# Altium PCB stencil V1.0.PcbDoc (part 1 of 5) (continued)
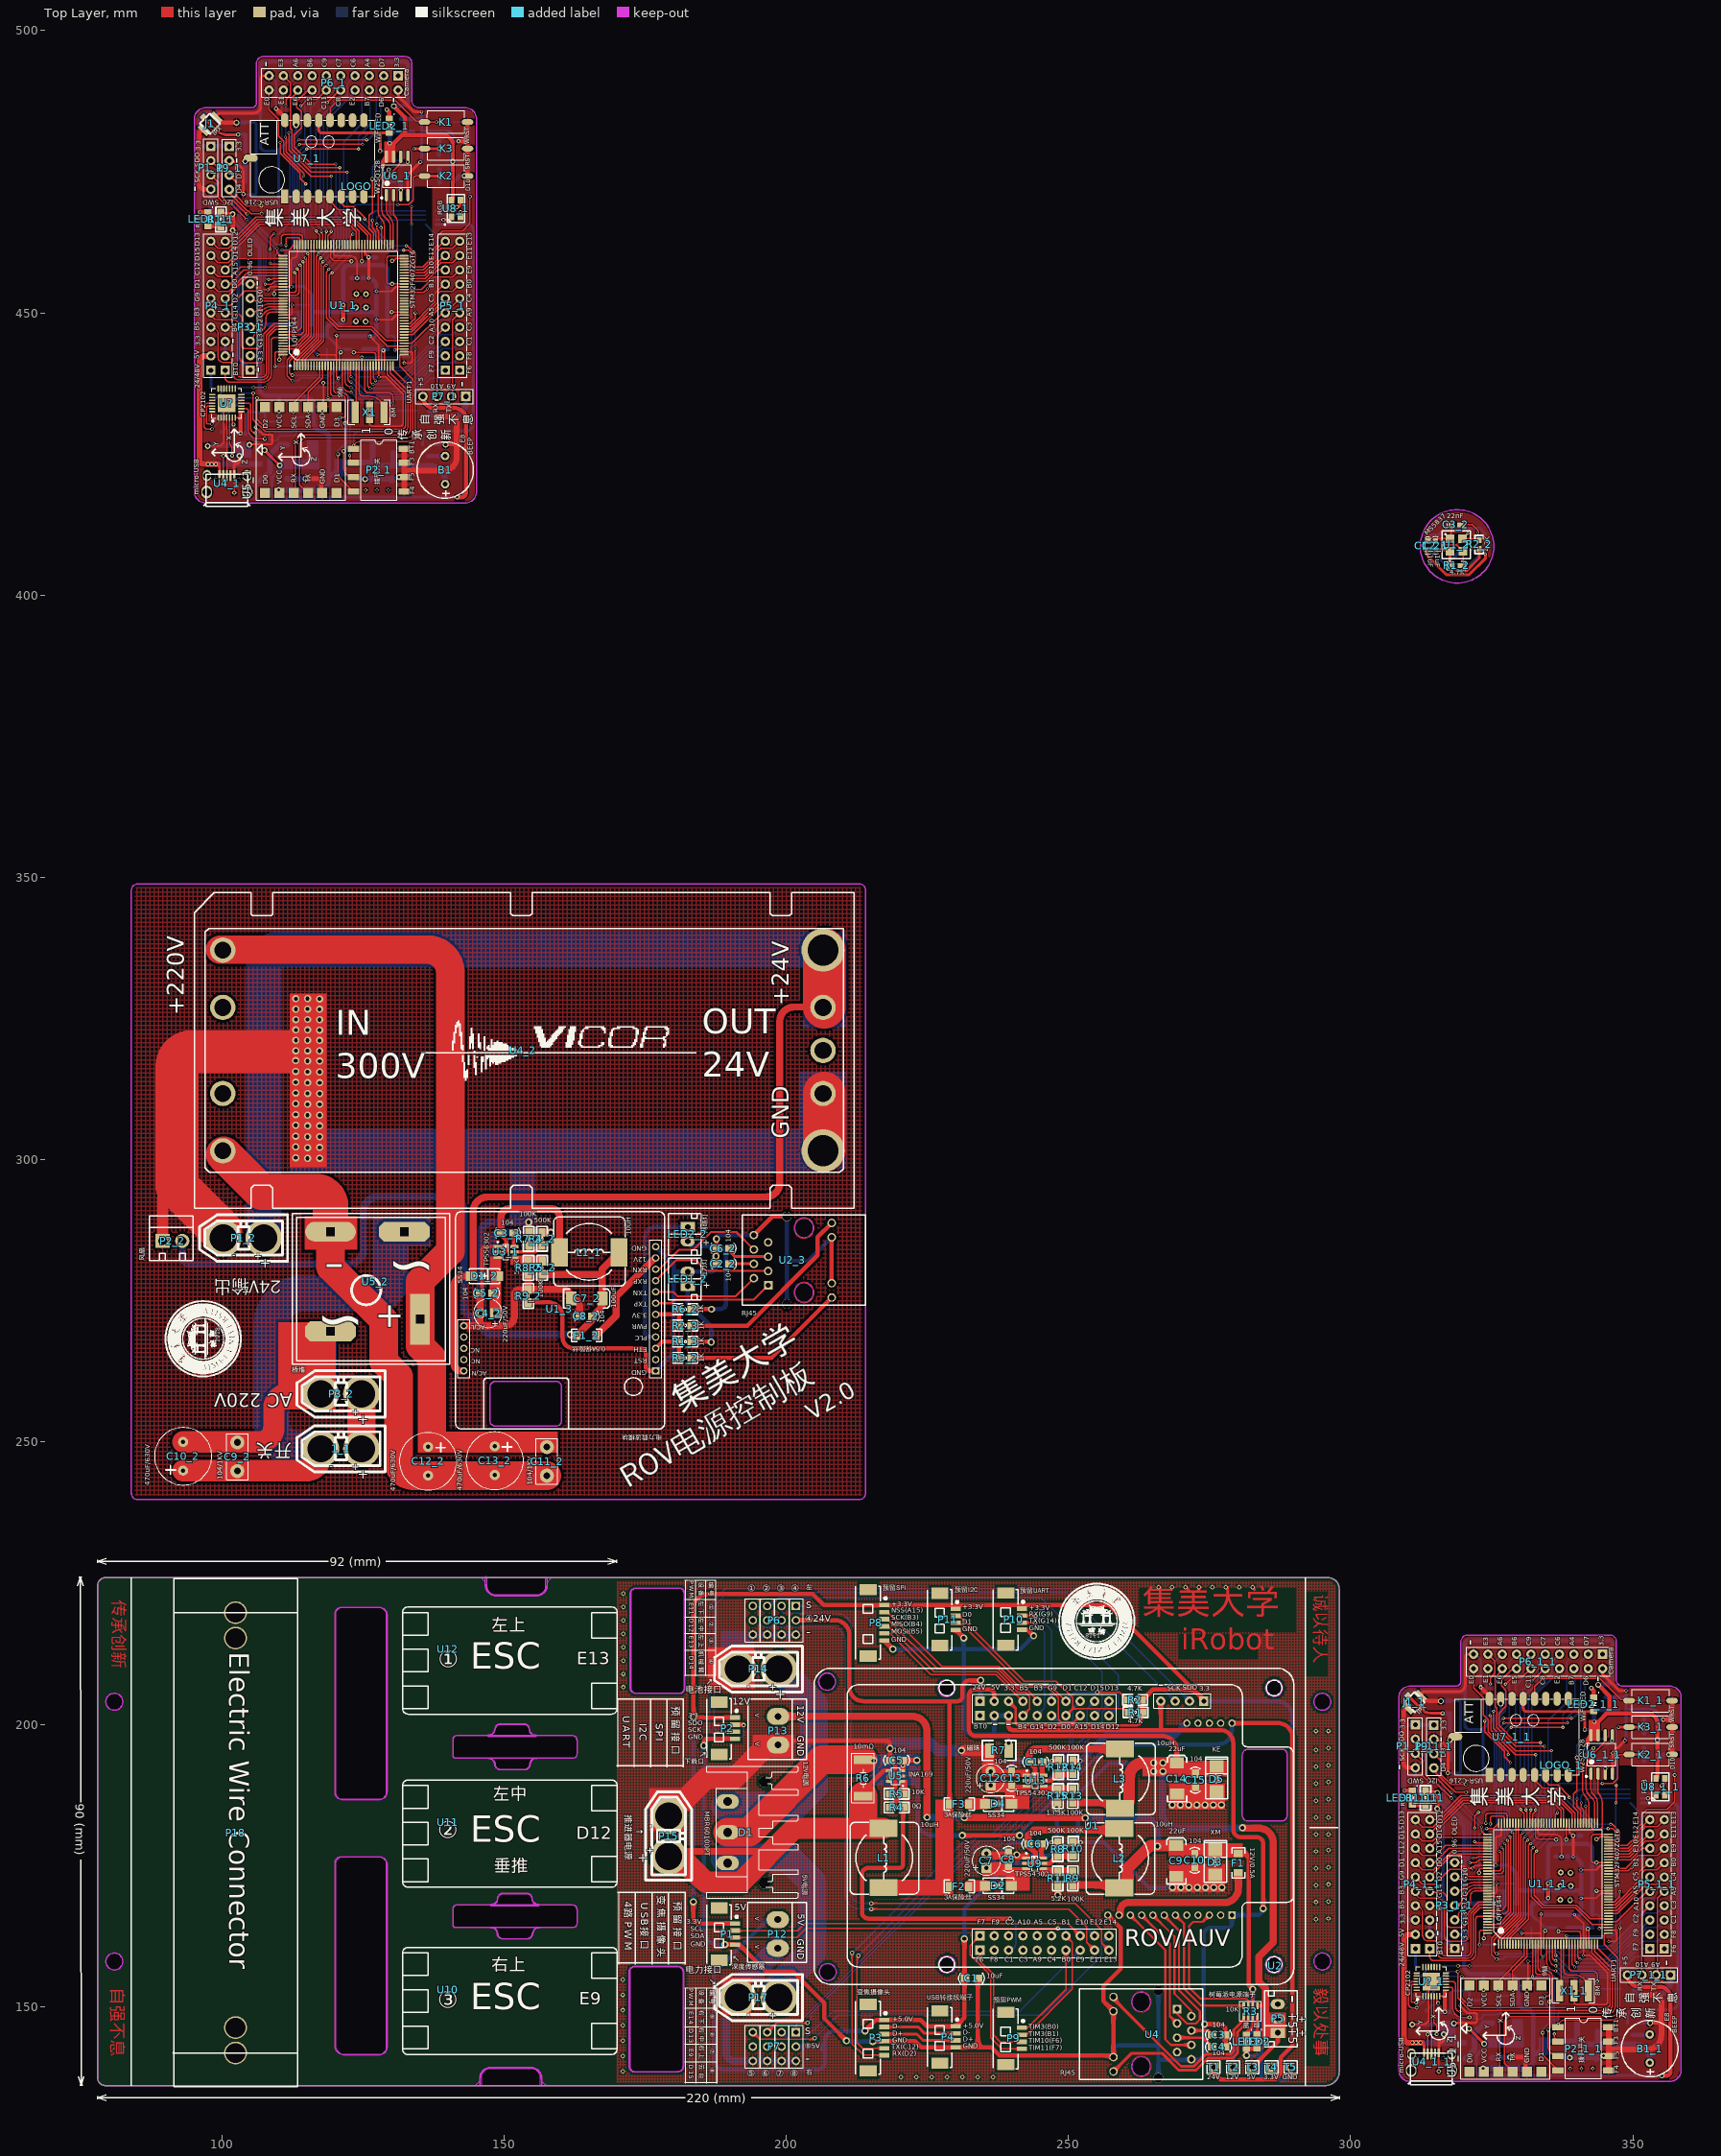
[diagram p0: Top Layer view]
## Components (designator, comment, footprint, x,y, rotation, side; value= is the part's Value field where it differs from the comment) (continued)
LOGO "JMU_LOGO" JMU_LOGO(1.35cm) 123.937,472.377 r270 top
LOGO_1 "JMU_LOGO" JMU_LOGO(1.35cm) 337.337,192.777 r270 top (schematic designator LOGO)
P1 "深度传感器" MX1.25WS-4P 188.265,167.513 r270 top
P1_1 "SWD" "Header 4" 98.064,479.554 r0 top (schematic designator P1)
P1_1_1 "SWD" "Header 4" 311.464,199.954 r0 top (schematic designator P1)
P1_2 "24V输出" XT60-F 107.974,286.146 r180 top (schematic designator P1)
P2 "下载口" MX1.25WS-4P 188.265,203.987 r270 top
P2_1 "拨码开关" 拨码开关(4位贴片) 123.454,425.852 r0 top (schematic designator P2)
P2_1_1 "拨码开关" 拨码开关(4位贴片) 336.854,146.252 r0 top (schematic designator P2)
P2_2 "风扇" KF350-2P 89.558,285.546 r0 top (schematic designator P2)
P3 "变焦摄像头" MX1.25WS-6P 214.63,150.322 r270 top
P3_1 "0.96‘ OLED" "Header 7" 105.065,447.536 r180 top (schematic designator P3)
P3_1_1 "0.96‘ OLED" "Header 7" 318.465,167.936 r180 top (schematic designator P3)
P3_2 "AC 220V" XT60-F 125.26,258.516 r180 top (schematic designator P3)
P4 "USB转接线端子" MX1.25WS-4P 227.33,149.306 r270 top
P4_1 "" "Header 10X2"#1 100.615,439.854 r180 top (schematic designator P4)
P4_1_1 "" "Header 10X2"#1 314.015,160.254 r180 top (schematic designator P4)
P5 "树莓派电源端子" XH3/2.54mm/180 287.2,145.4 r90 top
P5_1 "" "Header 10X2"#1 142.164,439.854 r180 top (schematic designator P5)
P5_1_1 "" "Header 10X2"#1 355.564,160.254 r180 top (schematic designator P5)
P6 "左" "Header 4X3" 201.76,220.98 r180 top
P6_1 "Camera" "Header 10X2"#2 108.397,489.497 r90 top (schematic designator P6)
P6_1_1 "Camera" "Header 10X2"#2 321.797,209.897 r90 top (schematic designator P6)
P7 "右" "Header 4X3" 201.76,145.466 r180 top
P7_1 "UART1" "Header 4(排母)" 143.319,435.218 r180 top (schematic designator P7)
P7_1_1 "UART1" "Header 4(排母)" 356.719,155.618 r180 top (schematic designator P7)
P8 "预留SPI" MX1.25WS-6P 214.63,223.799 r270 top
P9 "预留PWM" MX1.25WS-4P 239.014,149.052 r270 top
P9_1 "I2C" "Header 4(排母)" 101.341,479.53 r270 top (schematic designator P9)
P9_1_1 "I2C" "Header 4(排母)" 314.741,199.93 r270 top (schematic designator P9)
P10 "预留UART" MX1.25WS-4P 239.014,223.291 r270 top
P11 "预留I2C" MX1.25WS-4P 227.33,223.266 r270 top
P12 "5V电源" KF128-2P 198.501,165.557 r270 top
P13 "12V电源" KF128-2P 198.55,201.55 r270 top
P14 "电池接口" XT60-F 199.2,209.8 r180 top
P15 "推进器电源" XT60-F 179.197,176.124 r90 top
P16 "7位一体接线端子排" 7/8一体接线端子 113.106,135.788 r90 bottom
P17 "电力接口" XT60-F 199.2,151.613 r180 top
P18 "7位一体接线端子排" 7/8一体接线端子 113.2,225.8 r270 top
Q1 "S8050" SOT-23 135.697,426.53 r0 bottom
Q1_1 "S8050" SOT-23 349.097,146.93 r0 bottom (schematic designator Q1)
R1 "4.7K" 0805R#1 262.915,202.159 r180 top
R1_1 "1K" 0805R#1 99.858,467.602 r270 top (schematic designator R1)
R1_1_1 "1K" 0805R#1 313.258,188.002 r270 top (schematic designator R1)
R1_2 "4.7K" 0603R 319.462,405.225 r180 top (schematic designator R1)
R1_3 "1K" 0805R#1 183.196,267.796 r180 top (schematic designator R1)
R2 "4.7K" 0805R#1 262.89,204.368 r180 top
R2_1 "1K" 排阻(4位贴片) 109.264,428.854 r90 bottom (schematic designator R2)
R2_1_1 "1K" 排阻(4位贴片) 322.664,149.254 r90 bottom (schematic designator R2)
R2_2 "4.7K" 0603R 322.815,409.695 r270 top (schematic designator R2)
R2_3 "1K" 0805R#1 183.196,270.666 r180 top (schematic designator R2)
R3 "10K" 排阻(4位贴片) 283.464,150.114 r270 top
R3_1 "10R" 0805R#1 129.364,443.778 r90 bottom (schematic designator R3)
R3_1_1 "10R" 0805R#1 342.764,164.178 r90 bottom (schematic designator R3)
R3_2 "1K" 0805R#1 181.14,264.89 r0 top (schematic designator R3)
R4 "0Ω" 0805R#1 220.6,185.3 r180 top
R4_1 "0Ω" 0805R#1 118.603,443.802 r90 bottom (schematic designator R4)
R4_1_1 "0Ω" 0805R#1 332.003,164.202 r90 bottom (schematic designator R4)
R4_2 "500K" 0805R#1 156.791,284.984 r90 top (schematic designator R4)
R5 "10K" 0805R#1 220.605,187.706 r180 top
R5_1 "1K" 0805R#1 129.677,482.207 r90 bottom (schematic designator R5)
R5_1_1 "1K" 0805R#1 343.077,202.607 r90 bottom (schematic designator R5)
R5_2 "100K" 0805R#1 156.756,281.884 r270 top (schematic designator R5)
R6 "10mΩ" 2512R 213.67,187.274 r90 top
R6_1 "10K" 0805R#1 113.879,444.259 r0 bottom (schematic designator R6)
R6_1_1 "10K" 0805R#1 327.279,164.659 r0 bottom (schematic designator R6)
R6_2 "1K" 0805R#1 181.14,273.501 r0 top (schematic designator R6)
R7 "磁珠" 1210R 236.017,195.377 r0 top
R7_1 "10K" 0805R#1 126.764,429.054 r270 bottom (schematic designator R7)
R7_1_1 "10K" 0805R#1 340.164,149.454 r270 bottom (schematic designator R7)
R7_2 "100K" 0805R#1 154.358,287.041 r270 top (schematic designator R7)
R8 "500K" 0805R#1 248.157,176.886 r90 top
R8_1 "1K" 排阻(4位贴片) 137.983,468.085 r180 bottom (schematic designator R8)
R8_1_1 "1K" 排阻(4位贴片) 351.383,188.485 r180 bottom (schematic designator R8)
R8_2 "5.2K" 0805R#1 154.393,279.828 r90 top (schematic designator R8)
R9 "100K" 0805R#1 250.773,173.761 r270 top
R9_1 "2M" 0805R#1 98.181,436.741 r270 bottom (schematic designator R9)
R9_1_1 "2M" 0805R#1 311.581,157.141 r270 bottom (schematic designator R9)
R9_2 "0R" 0805R#1 154.343,276.906 r270 top (schematic designator R9)
R10 "100K" 0805R#1 250.875,178.968 r270 top
R10_1 "200K" 0805R#1 134.808,432.702 r0 bottom (schematic designator R10)
R10_1_1 "200K" 0805R#1 348.208,153.102 r0 bottom (schematic designator R10)
R11 "5.2K" 0805R#1 248.157,171.679 r90 top
R11_1 "1K" 0805R#1 138.678,475.49 r0 bottom (schematic designator R11)
R11_1_1 "1K" 0805R#1 352.078,195.89 r0 bottom (schematic designator R11)
R12 "500K" 0805R#1 248.259,191.389 r90 top
R12_1 "1K" 0805R#1 140.735,477.964 r180 bottom (schematic designator R12)
R12_1_1 "1K" 0805R#1 354.135,198.364 r180 bottom (schematic designator R12)
R13 "100K" 0805R#1 250.773,188.341 r270 top
R13_1 "0R" 0805R#1 130.16,478.448 r0 bottom (schematic designator R13)
R13_1_1 "0R" 0805R#1 343.56,198.848 r0 bottom (schematic designator R13)
R14 "100K" 0805R#1 250.799,193.421 r270 top
R14_1 "0R" 0805R#2 138.72,483.833 r0 bottom (schematic designator R14)
R14_1_1 "0R" 0805R#2 352.12,204.233 r0 bottom (schematic designator R14)
R15 "13.3K" 0805R#1 248.208,186.284 r90 top
R15_1 "10K" 0805R#2 110.069,467.119 r180 bottom (schematic designator R15)
R15_1_1 "10K" 0805R#2 323.469,187.519 r180 bottom (schematic designator R15)
R16 "10K" 0805R#2 110.094,469.431 r180 bottom
R16_1 "10K" 0805R#2 323.494,189.831 r180 bottom (schematic designator R16)
T1 "24V" "HEADER 1"#1 275.895,139.268 r0 top
T2 "12V" "HEADER 1"#1 279.305,139.268 r0 top
T3 "5V" "HEADER 1"#1 282.715,139.268 r0 top
T4 "3.3V" "HEADER 1"#1 286.125,139.268 r0 top
T5 "GND" "HEADER 1"#2 289.535,139.268 r0 top
U1 "ROV/AUV" ROV_CONTROLLER 247.091,183.896 r0 top locked
U1_1 "STM32F407ZGT6" LQFP-144 112.964,442.854 r90 top locked (schematic designator U1)
U1_1_1 "STM32F407ZGT6" LQFP-144 326.364,163.254 r90 top locked (schematic designator U1)
U1_2 "MS5837" MS5837-02BA 317.735,407.917 r0 top locked (schematic designator U?)
U1_3 "电力载波模块" 电力载波模块6410 177.965,252.319 r180 top locked (schematic designator U1)
U2 "" "Raspberry Pi 外框" 286.639,157.226 r180 top locked
U2_1 "TPS7333" SOP-8 116.241,420.053 r0 bottom (schematic designator U2)
U2_1_1 "TPS7333" SOP-8 329.641,140.453 r0 bottom (schematic designator U2)
U2_2 "RT9193" SOT23-5#1 323.831,409.817 r270 bottom (schematic designator U2)
U2_3 "RJ45" RJ45 203.204,288.139 r270 top (schematic designator U2)
U3 "电力载波模块" 电力载波模块6410 289.281,165.151 r90 bottom locked
U3_1 "TPS56302" SOT23-6 148.932,284.653 r0 top (schematic designator U3)
U4 "RJ45" RJ45 262.89,139.192 r90 top
U4_1 "micro-USB" "Micro-USB (兼容牛角)" 97.648,421.069 r0 top (schematic designator U4)
U4_1_1 "micro-USB" "Micro-USB (兼容牛角)" 311.048,141.469 r0 top (schematic designator U4)
U4_2 "Vicor" vicor 157.848,319.881 r90 top (schematic designator U4)
U5 "INA169" SOT23-5#2 220.681,189.967 r90 top
U5_1 "9轴加速度计模块" 9轴加速度计 107.478,417.945 r90 top (schematic designator U5)
U5_1_1 "9轴加速度计模块" 9轴加速度计 320.878,138.345 r90 top (schematic designator U5)
U5_2 "桥堆" 整流全桥 130.949,272.944 r180 top (schematic designator U5)
U6 "电调外框" 电调外框 140.068,209.2 r0 bottom locked
U6_1 "W25Q128" SOW-8 129.287,472.944 r90 top (schematic designator U6)
U6_1_1 "W25Q128" SOW-8 342.687,193.344 r90 top (schematic designator U6)
U7 "电调外框" 电调外框 139.968,149.1 r0 bottom locked
U7_1 "USR-C216" USR-C216 108.875,473.571 r90 top (schematic designator U7)
U7_1_1 "USR-C216" USR-C216 322.275,193.971 r90 top (schematic designator U7)
U8 "电调外框" 电调外框 139.868,178.9 r0 bottom locked
U8_1 "RGB" RGB-3528 142.294,469.983 r270 top (schematic designator U8)
U8_1_1 "RGB" RGB-3528 355.694,190.383 r270 top (schematic designator U8)
U9 "TPS54302" SOT23-6 242.594,176.352 r0 top
U10 "电调外框" 电调外框 140.068,153 r0 top locked
U11 "电调外框" 电调外框 140.068,182.65 r0 top locked
U12 "电调外框" 电调外框 140.068,213.3 r0 top locked
U13 "TPS54302" SOT23-6 242.696,191.008 r0 top
U? "CP2102" QFN-28 98.994,432.118 r90 top
U?_1 "CP2102" QFN-28 312.394,152.518 r90 top (schematic designator U?)
X1 "8M" 三脚贴片8M晶振 123.658,432.354 r90 top
X1_1 "8M" 三脚贴片8M晶振 337.058,152.754 r90 top (schematic designator X1)

## Footprints (in the part's own frame and the unit in brackets; to place one, negate y for a bottom-side part, rotate by r counter-clockwise, add the part's x,y. Pads: shape width x height; smd on the part's side, far side on the other; paste and mask are expansions set on the pad)
7/8一体接线端子 [mm]
  round 4 hole 3.5: 0(6,-10.7) 0(10.5,-10.7) 0(79.5,-10.7) 0(84,-10.7)
  silkscreen extent 0,-21.8 90,0.3
9轴加速度计 [mil]
  rect 70x70 smd: 1(5.91,-7.81) 2(5.91,-107.81) 3(5.91,-207.81) 4(5.91,-307.81) 5(5.91,-407.81) 6(5.91,-507.81) 7(605.91,-507.81) 8(605.91,-407.81) 9(605.91,-307.81) 10(605.91,-207.81) 11(605.91,-107.81) 12(605.91,-7.81)
  silkscreen extent -44,-570 657,53, body extent -10,-570 622,55, height 87
0603C [mil]
  rect 40x35 smd: 1(-97,-282) 2(-37,-282)
  silkscreen extent -126,-302 -6,-262, body extent -117,-299 -14,-260, height 35
0603R [mil]
  rect 40x35 smd: 1(-2,-1) 2(58,-1)
  silkscreen extent -35,-30 92,28, body extent -5,-17 61,15, height 22
0805C [mil]
  rect 60x50 smd: 1(-5,0) 2(85,0)
  silkscreen extent -50,-35 131,36, body extent -16,-26 102,29, height 37
0805LED(GREEN) [mil]
  rect 40x50 smd: 1(-2,-2) 2(98,-2)
  silkscreen extent -36,-22 71,33, body extent 7,-27 87,23, height 43
0805LED(RED) [mil]
  rect 40x50 smd: 1(-2.98,-4.95) 2(97.02,-4.95)
  silkscreen extent -37,-25 70,31, body extent 13,-25 80,11, height 35
0805R#1 [mil]
  rect 60x50 smd: 1(-4.51,1.2) 2(85.49,1.2)
  silkscreen extent -46,-36 126,37, body extent -1,-23 78,26, height 18
0805R#2 [mil]
  rect 60x50 smd: 1(0,0) 2(90,0)
  silkscreen extent -41,-37 131,36, body extent 4,-25 83,25, height 18
1206R [mil]
  rect 60x60 smd: 1(-65.9,1.2) 2(69.1,1.2)
  silkscreen extent -107,-49 110,52, body extent -63,-30 63,32, height 24
1210R [mil]
  rect 60x100 smd: 1(0,0) 2(135,0)
  silkscreen extent -50,-70 185,70, body extent -12,-49 146,49, height 67
2512R [mil]
  rect 61x129.92 smd: 1(-1.11,1) 2(253.89,1)
  silkscreen extent -45,-78 298,80, body extent 2,-64 251,62, height 24
BUZZER [mil]
  round 60 hole 32 mask+0: 1(-98.43,0) 2(98.43,0)
  silkscreen extent -197,-197 197,197, body extent -240,-236 233,236, height 354
CDRH124 [mm]
  rect 3x5 smd: 1(-2.469,2.159) 2(8.057,2.159)
  silkscreen extent -3.51,-3.76 9.19,8.43, body extent -3.11,-3.77 8.89,8.23, height 4.55
FUSE-1206 [mil]
  rect 50x65 smd: 1(-1,-2) 2(134,-2)
  silkscreen extent -39,-47 172,43, body extent 1,-36 127,28, height 34
"HEADER 1"#1 [mil]
  rect 70x70 hole 35: 1(-5,0)
  silkscreen extent -50,-45 40,44
"HEADER 1"#2 [mil]
  round 70 hole 35: 1(-5,0)
  silkscreen extent -50,-45 40,44
"Header 4" [mil]
  rect 65x65 hole 34: 1(0.95,-0.93)
  round 65 hole 34: 2(0.95,-100.93) 3(0.95,-200.93) 4(0.95,-300.93)
  silkscreen extent -49,-351 51,49, body extent -51,-354 49,46, height 336
"Header 4(排母)" [mm]
  rect 1.7x1.7 hole 0.9: 1(0.035,0.015)
  round 1.7 hole 0.9: 2(2.575,0.015) 3(5.115,0.015) 4(7.655,0.015)
  silkscreen extent -1.23,-1.25 8.93,1.29, body extent -1.23,-1.25 8.93,1.29, height 8.5
"Header 4X3" [mm]
  rect 1.5x1.5 hole 0.9: 1(0.025,0)
  round 1.5 hole 0.9: 2(0.025,2.54) 3(0.025,5.08) 4(2.565,0) 5(2.565,2.54) 6(2.565,5.08) 7(5.105,0) 8(5.105,2.54) 9(5.105,5.08) 10(7.645,0) 11(7.645,2.54) 12(7.645,5.08)
  silkscreen extent -1.24,-1.27 9,6.35, body extent -1.24,-1.27 8.92,6.35, height 7.58
"Header 7" [mil]
  rect 65x65 hole 34: 1(0,301)
  round 65 hole 34: 2(0,201) 3(0,101) 4(0,1) 5(0,-98.8) 6(0,-198.8)
  round 65 hole 34 paste+0: 7(0,-298.61)
  silkscreen extent -50,-347 50,351, body extent -50,-349 50,351, height 336
"Header 10X2"#1 [mil]
  rect 65x65 hole 34: 1(-0.98,-0.2) 20(99.41,-0.2)
  round 65 hole 34: 2(-0.98,-100.2) 3(-0.98,-200.2) 4(-0.98,-300.2) 5(-0.98,-400) 6(-0.98,-500) 8(-0.98,-699.8) 10(-0.98,-900.2) 11(99.41,-900.2) 13(99.41,-699.8) 15(99.41,-500) 16(99.41,-400) 17(99.41,-300.2) 18(99.41,-200.2) 19(99.41,-100.2)
  round 65 hole 34 paste+0: 7(-0.98,-599.8) 9(-0.98,-800.2) 12(99.41,-800.2) 14(99.41,-599.8)
  silkscreen extent -51,-952 149,50, body extent -51,-950 149,50, height 114
"Header 10X2"#2 [mil]
  round 65 hole 34: 1(-0.98,-0.2) 2(-0.98,-100.2) 3(-0.98,-200.2) 4(-0.98,-300.2) 5(-0.98,-400) 6(-0.98,-500) 8(-0.98,-699.8) 10(-0.98,-900.2) 13(99.41,-699.8) 15(99.41,-500) 16(99.41,-400) 17(99.41,-300.2) 18(99.41,-200.2) 19(99.41,-100.2) 20(99.41,-0.2)
  round 65 hole 34 paste+0: 7(-0.98,-599.8) 9(-0.98,-800.2) 12(99.41,-800.2) 14(99.41,-599.8)
  rect 65x65 hole 34: 11(99.41,-900.2)
  silkscreen extent -51,-952 149,50, body extent -13,-948 493,52, height 201
IPX天线底座 [mm]
  rect 1.05x1 smd: 1(0.073,-0.048)
  rect 2.2x1.05 smd: 2(1.681,1.452) 3(1.681,-1.548)
  silkscreen extent 0.38,-1.35 2.98,1.25, body extent 0.15,-1.57 3,1.43, height 1.3
JMU_LOGO(1.35cm) [mm]
KF128-2P [mm]
  oval 3x4 hole 1.2: 1(0.134,0.024) 2(5.214,0.024)
  silkscreen extent -2.91,-5.28 7.75,5.1, body extent -2.91,-5.35 7.75,5.15, height 14.15
KF350-2P [mm]
  rect 2.5x2.5 hole 1.5: 1(-0.023,0.102)
  round 2.5 hole 1.5: 2(3.477,0.102)
  silkscreen extent -2.36,-3.38 5.41,4.47, body extent -2.17,-3.2 5.23,4.3, height 10
LQFP-144 [mm]
  rect 1.651x0.3 smd: 1(-2.199,0.11)
  oval 1.651x0.3 smd: 2(-2.199,-0.39) 3(-2.199,-0.89) 4(-2.199,-1.39) 5(-2.199,-1.89) 6(-2.199,-2.39) 7(-2.199,-2.89) 8(-2.199,-3.39) 9(-2.199,-3.89) 10(-2.199,-4.39) 11(-2.199,-4.89) 12(-2.199,-5.39) 13(-2.199,-5.89) 14(-2.199,-6.39) 15(-2.199,-6.89) 16(-2.199,-7.39) 17(-2.199,-7.89) 18(-2.199,-8.39) 19(-2.199,-8.89) 20(-2.199,-9.39) 21(-2.199,-9.89) 22(-2.199,-10.39) 23(-2.199,-10.89) 24(-2.199,-11.39) 25(-2.199,-11.89) 26(-2.199,-12.39) 27(-2.199,-12.89) 28(-2.199,-13.39) 29(-2.199,-13.89) 30(-2.199,-14.39) 31(-2.199,-14.89) 32(-2.199,-15.39) 33(-2.199,-15.89) 34(-2.199,-16.39) 35(-2.199,-16.89) 36(-2.199,-17.39) 73(19.251,-17.39) 74(19.251,-16.89) 75(19.251,-16.39) 76(19.251,-15.89) 77(19.251,-15.39) 78(19.251,-14.89) 79(19.251,-14.39) 80(19.251,-13.89) 81(19.251,-13.39) 82(19.251,-12.89) 83(19.251,-12.39) 84(19.251,-11.89) 85(19.251,-11.39) 86(19.251,-10.89) 87(19.251,-10.39) 88(19.251,-9.89) 89(19.251,-9.39) 90(19.251,-8.89) 91(19.251,-8.39) 92(19.251,-7.89) 93(19.251,-7.39) 94(19.251,-6.89) 95(19.251,-6.39) 96(19.251,-5.89) 97(19.251,-5.39) 98(19.251,-4.89) 99(19.251,-4.39) 100(19.251,-3.89) 101(19.251,-3.39) 102(19.251,-2.89) 103(19.251,-2.39) 104(19.251,-1.89) 105(19.251,-1.39) 106(19.251,-0.89) 107(19.251,-0.39) 108(19.251,0.11)
  oval 0.3x1.651 smd: 37(-0.224,-19.365) 38(0.276,-19.365) 39(0.776,-19.365) 40(1.276,-19.365) 41(1.776,-19.365) 42(2.276,-19.365) 43(2.776,-19.365) 44(3.276,-19.365) 45(3.776,-19.365) 46(4.276,-19.365) 47(4.776,-19.365) 48(5.276,-19.365) 49(5.776,-19.365) 50(6.276,-19.365) 51(6.776,-19.365) 52(7.276,-19.365) 53(7.776,-19.365) 54(8.276,-19.365) 55(8.776,-19.365) 56(9.276,-19.365) 57(9.776,-19.365) 58(10.276,-19.365) 59(10.776,-19.365) 60(11.276,-19.365) 61(11.776,-19.365) 62(12.276,-19.365) 63(12.776,-19.365) 64(13.276,-19.365) 65(13.776,-19.365) 66(14.276,-19.365) 67(14.776,-19.365) 68(15.276,-19.365) 69(15.776,-19.365) 70(16.276,-19.365) 71(16.776,-19.365) 72(17.276,-19.365) 109(17.276,2.085) 110(16.776,2.085) 111(16.276,2.085) 112(15.776,2.085) 113(15.276,2.085) 114(14.776,2.085) 115(14.276,2.085) 116(13.776,2.085) 117(13.276,2.085) 118(12.776,2.085) 119(12.276,2.085) 120(11.776,2.085) 121(11.276,2.085) 122(10.776,2.085) 123(10.276,2.085) 124(9.776,2.085) 125(9.276,2.085) 126(8.776,2.085) 127(8.276,2.085) 128(7.776,2.085) 129(7.276,2.085) 130(6.776,2.085) 131(6.276,2.085) 132(5.776,2.085) 133(5.276,2.085) 134(4.776,2.085) 135(4.276,2.085) 136(3.776,2.085) 137(3.276,2.085) 138(2.776,2.085) 139(2.276,2.085) 140(1.776,2.085) 141(1.276,2.085) 142(0.776,2.085) 143(0.276,2.085) 144(-0.224,2.085)
  silkscreen extent -2.32,-18.24 18.13,0.96, body extent -2.47,-19.64 19.53,2.36, height 1.6
"Micro-USB (兼容牛角)" [mm]
  round 0.8 hole 0.8: 0(0.825,-0.025) 0(5.8,-0.025)
  oval 0.47x0.7 hole 0.7: 0(1.294,-0.69)
  round 0.7 hole 0.7: 0(5.294,-0.69)
  rect 0.4x1.5 smd: 1(1.994,0.359) 5(4.594,0.359)
  rect 0.4x1.95 smd: 2(2.644,0.135) 3(3.294,0.135) 4(3.944,0.135)
  oval 1.5x2 hole 1.3: 6(6.844,0.135) 7(-0.256,0.135)
  oval 1.9x2.3 hole 1.5: 8(-0.306,-2.786) 9(6.894,-2.786)
  silkscreen extent -0.83,-5.3 7.4,0.33, body extent -0.78,-5.34 7.42,0.09, height 0.23
MS5837-02BA [mm]
  rect 1.5x1.5 smd: 1(-0.1,2.1) 2(-0.1,-0.1) 3(2.186,-0.1) 4(2.1,2.1)
  silkscreen extent -1.5,-1.4 3.5,3.5
MX1.25S-4P [mm]
  rect 2.1x2.5 smd: 0(-4.632,-0.381) 0(4.604,-0.381)
  rect 0.8x1.3 smd: 1(-1.889,2.261) 2(-0.639,2.261) 3(0.611,2.261) 4(1.861,2.261)
  silkscreen extent -5.29,-1.78 5.27,2.99, body extent -5.02,-1.63 5.13,2.47, height 4.7
MX1.25WS-4P [mm]
  rect 2x3 smd: 0(0.042,-0.076) 0(9.306,-0.076)
  rect 0.8x1.778 smd: 1(2.785,2.734) 2(4.035,2.734) 3(5.285,2.734) 4(6.535,2.734)
  silkscreen extent -0.56,-2.3 10.12,3.17, body extent -0.47,-2.04 9.68,3.15, height 3.4
MX1.25WS-6P [mm]
  rect 2x3 smd: 0(-0.065,-0.076) 0(11.699,-0.076)
  rect 0.8x1.778 smd: 1(2.678,2.734) 2(3.928,2.734) 3(5.178,2.734) 4(6.428,2.734) 5(7.678,2.734) 6(8.928,2.734)
  silkscreen extent -0.67,-2.3 12.27,3.17, body extent -0.43,-2.29 12.22,2.9, height 3.4
QFN-28 [mm] "CP2102  USB转串口芯片"
  rect 3.13x3.13 smd mask+0.051: 0(1.909,-1.918)
  oval 1.15x0.28 smd mask+0.051: 1(-0.668,-0.418) 2(-0.668,-0.918) 3(-0.668,-1.418) 4(-0.668,-1.918) 5(-0.668,-2.418) 6(-0.668,-2.918) 7(-0.668,-3.418) 15(4.486,-3.418) 16(4.486,-2.918) 17(4.486,-2.418) 18(4.486,-1.918) 19(4.486,-1.418) 20(4.486,-0.918) 21(4.486,-0.418)
  oval 0.28x1.15 smd mask+0.051: 8(0.409,-4.495) 9(0.909,-4.495) 10(1.409,-4.495) 11(1.909,-4.495) 12(2.409,-4.495) 13(2.909,-4.495) 14(3.409,-4.495) 22(3.409,0.66) 23(2.909,0.66) 24(2.409,0.66) 25(1.909,0.66) 26(1.409,0.66) 27(0.909,0.66) 28(0.409,0.66)
  silkscreen extent -1.39,-4.57 4.56,0.73, body extent -0.58,-4.42 4.42,0.58, height 1
"Raspberry Pi 外框" [mm]
  Keep-Out Layer circle w0.254: c58.14,-0.237 r1.5
  Keep-Out Layer circle w0.254: c58.191,-49.183 r1.5
  Keep-Out Layer circle w0.254: c0.177,-49.208 r1.5
  Keep-Out Layer circle w0.254: c0.177,-0.212 r1.5
  Keep-Out Layer board cut-out: 56.64,-0.237 56.754,0.337 57.079,0.824 57.566,1.149 58.14,1.263 58.14,1.263 58.714,1.149 59.201,0.824 59.526,0.337 59.64,-0.237 59.64,-0.237 59.526,-0.811 59.201,-1.298 58.714,-1.623 58.14,-1.737 58.14,-1.737 57.566,-1.623 57.079,-1.298 56.754,-0.811 56.64,-0.237
  Keep-Out Layer board cut-out: 56.691,-49.183 56.805,-48.609 57.13,-48.122 57.617,-47.797 58.191,-47.683 58.191,-47.683 58.765,-47.797 59.251,-48.122 59.577,-48.609 59.691,-49.183 59.691,-49.183 59.577,-49.757 59.251,-50.244 58.765,-50.569 58.191,-50.683 58.191,-50.683 57.617,-50.569 57.13,-50.244 56.805,-49.757 56.691,-49.183
  Keep-Out Layer board cut-out: -1.323,-49.208 -1.209,-48.634 -0.884,-48.148 -0.397,-47.822 0.177,-47.708 0.177,-47.708 0.751,-47.822 1.238,-48.148 1.563,-48.634 1.677,-49.208 1.677,-49.208 1.563,-49.782 1.238,-50.269 0.751,-50.594 0.177,-50.708 0.177,-50.708 -0.397,-50.594 -0.884,-50.269 -1.209,-49.782 -1.323,-49.208
  Keep-Out Layer board cut-out: -1.323,-0.212 -1.209,0.362 -0.884,0.849 -0.397,1.174 0.177,1.288 0.177,1.288 0.751,1.174 1.238,0.849 1.563,0.362 1.677,-0.212 1.677,-0.212 1.563,-0.786 1.238,-1.272 0.751,-1.597 0.177,-1.712 0.177,-1.712 -0.397,-1.597 -0.884,-1.272 -1.209,-0.786 -1.323,-0.212
  silkscreen extent -3.33,-52.72 81.67,3.28
RB.1.2 [mil]
  rect 70x70 hole 30: 1(0,0)
  round 70 hole 30: 2(100,0)
  silkscreen extent -50,-100 150,100, body extent -28,-73 130,85, height 278
RB.2.4 [mil]
  round 70 hole 30: 1(0,0) 2(200,0)
  silkscreen extent -100,-200 300,200, body extent -110,-218 316,207, height 512
RGB-3528 [mm]
  rect 1.2x1 smd: 1(-0.029,0.03) 2(-0.029,-1.57) 3(2.971,0.03) 4(2.971,-1.57)
  silkscreen extent -1.01,-2.87 4.42,0.76, body extent -0.32,-2.2 3.18,0.6, height 1.9
RJ45 [mm]
  rect 1.524x1.524 hole 0.889: 1(10.38,-6.369)
  round 1.524 hole 0.889: 2(9.11,-8.909) 3(7.84,-6.369) 4(6.57,-8.909) 5(5.3,-6.369) 6(4.03,-8.909) 7(2.76,-6.369) 8(1.49,-8.909)
  round 1.5 hole 1.02: 9(12.53,4.881) 10(9.994,4.881) 11(1.866,4.881) 12(-0.67,4.881)
  round 1.7 hole 1.65: 13(13.68,-3.067) 14(-1.82,-3.067)
  round 2.95 hole 3.25: MH3(0.214,-0.032) MH3(11.644,-0.032)
  Keep-Out Layer circle w0.051: c11.646,-0.019 r1.65
  Keep-Out Layer circle w0.051: c0.216,-0.019 r1.65
  Multi-Layer circle w0.127: c0.214,-0.032 r1.798
  Multi-Layer circle w0.127: c11.644,-0.032 r1.798
  silkscreen extent -2.07,-10.94 13.93,10.9, body extent -2.09,-10.6 13.79,10.8, height 14
ROV_CONTROLLER [mil]
  rect 65x65 hole 34: 1(-502.07,694.74) 20(-502.07,795.13) 41(-502.07,-941.03) 60(-502.07,-840.64) 61(1059.8,796.2)
  round 65 hole 34: 2(-402.07,694.74) 3(-302.07,694.74) 4(-202.07,694.74) 5(-102.27,694.74) 6(-2.27,694.74) 8(197.54,694.74) 10(397.93,694.74) 11(397.93,795.13) 13(197.54,795.13) 15(-2.27,795.13) 16(-102.27,795.13) 17(-202.07,795.13) 18(-302.07,795.13) 19(-402.07,795.13) 42(-402.07,-941.03) 43(-302.07,-941.03) 44(-202.07,-941.03) 45(-102.27,-941.03) 46(-2.27,-941.03) 48(197.54,-941.03) 50(397.93,-941.03) 51(397.93,-840.64) 53(197.54,-840.64) 55(-2.27,-840.64) 56(-102.27,-840.64) 57(-202.07,-840.64) 58(-302.07,-840.64) 59(-402.07,-840.64) 62(959.8,796.2) 63(859.8,796.2) 64(759.8,796.2)
  round 65 hole 34 paste+0: 7(97.54,694.74) 9(297.93,694.74) 12(297.93,795.13) 14(97.54,795.13) 47(97.54,-941.03) 49(297.93,-941.03) 52(297.93,-840.64) 54(97.54,-840.64)
  silkscreen extent -1427,-1058 1685,910, body extent -561,-989 1109,844, height 335
SMA/DO-214AC [mm]
  rect 2x1.75 smd: 1(-0.178,0.025) 2(4.422,0.025)
  silkscreen extent -0.58,-1.32 4.82,1.38, body extent -0.38,-1.32 4.73,1.35, height 2.12
SMBJ [mil] "TVS瞬态抑制二极管"
  rect 98x90 smd: 1(1.65,0.6) 2(1.65,-174.4)
  silkscreen extent -77,-240 80,52, body extent -50,-196 55,5, height 83
SOP-8 [mm]
  oval 2.2x0.6 smd: 1(-0.038,0.025) 2(-0.038,-1.245) 3(-0.038,-2.515) 4(-0.038,-3.785) 5(4.762,-3.785) 6(4.762,-2.515) 7(4.762,-1.245) 8(4.762,0.025)
  silkscreen extent -0.1,-4.38 3.37,0.96, body extent -0.62,-4.33 5.38,0.58, height 1.7
SOT23-5#1 [mm]
  rect 0.5x1 smd: 1(0,0) 2(0.95,0) 3(1.9,0) 4(1.9,2.4) 5(0,2.4)
  silkscreen extent -0.55,0.4 2.45,2, body extent -0.5,-0.2 2.4,2.6, height 1.09
SOT23-5#2 [mm]
  rect 0.5x1 smd: 1(-0.051,0.051) 2(0.899,0.051) 3(1.849,0.051) 4(1.849,2.451) 5(-0.051,2.451)
  silkscreen extent -0.99,-0.15 2.4,2.05, body extent -0.55,-0.15 2.35,2.65, height 1.09
SOT23-6 [mm]
  rect 1.4x0.55 smd: 1(-0.051,-0.025) 2(-0.051,-0.975) 3(-0.051,-1.925) 4(2.949,-1.925) 5(2.949,-0.975) 6(2.949,-0.025)
  silkscreen extent -0.15,-2.31 1.96,0.91, body extent 0.07,-2.47 2.88,0.53, height 1.15
SOT-23 [mil]
  rect 36x36 smd: 1(-2.52,-5.16) 2(72.48,-5.16)
  rect 36x50 smd: 3(35.48,74.84)
  silkscreen extent -23,-10 92,80, body extent -22,-18 92,92, height 47
SOW-8 [mm]
  oval 2.2x0.6 smd: 1(-2.078,0.092) 2(-2.078,-1.178) 3(-2.078,-2.448) 4(-2.078,-3.718) 5(4.722,-3.718) 6(4.722,-2.448) 7(4.722,-1.178) 8(4.722,0.092)
  silkscreen extent -2.73,-4.31 3.32,1.07, body extent -1.72,-4.35 4.32,0.67, height 1.6
TAJ-A [mil]
  rect 60x60 smd: 1(0,0) 2(-120,0)
  silkscreen extent -165,-45 49,45, body extent -125,-31 9,32, height 65
TAJ-C [mm]
  rect 1.905x2.5 smd: 1(0,0) 2(-5.505,-0.025)
  silkscreen extent -6.86,-1.73 1.35,1.65, body extent -5.77,-1.68 0.22,1.52, height 2.6
TO-247LS [mm]
  round 2 hole 2: 0(-0.008,-0.02) 0(17.992,-0.02)
  oval 2.54x4 hole 1.575: 1(3.542,-6.552) 2(8.992,-6.552) 3(14.442,-6.552)
  silkscreen extent -2.71,-10.25 20.69,5.95, body extent -2.46,-10.33 20.44,6.07, height 30.62
USR-C216 [mm] "有人公司WIFI模组 USR-C216"
  rect 2.5x1.3 smd: 1(-2.945,-2.325)
  oval 2.5x1.3 smd: 2(-2.945,-4.325) 3(-2.945,-6.325) 4(-2.945,-8.325) 5(-2.945,-10.325) 6(-2.945,-12.325) 7(-2.945,-14.325) 8(-2.945,-16.325) 9(10.555,-16.325) 10(10.555,-14.325) 11(10.555,-12.325) 12(10.555,-10.325) 13(10.555,-8.325) 14(10.555,-6.325) 15(10.555,-4.325) 16(10.555,-2.325)
  oval 1.3x2.5 smd: 17(3.855,3.725)
  Top Layer pour cut-out: 4.611,3.725 4.611,-0.905 10.555,-0.905 10.555,3.725
  Top Layer pour cut-out: 0.015,2.305 0.891,2.131 1.634,1.634 2.131,0.891 2.305,0.015 2.305,0.015 2.13,-0.865 1.631,-1.611 0.885,-2.11 0.005,-2.285 0.005,-2.285 -0.015,-2.285 -0.891,-2.111 -1.634,-1.614 -2.131,-0.871 -2.305,0.005 -2.305,0.005 -2.305,0.025 -2.131,0.898 -1.637,1.637 -0.898,2.131 -0.025,2.305 -0.025,2.305
  Top Layer pour cut-out: 6.755,-6.035 7.138,-6.111 7.462,-6.328 7.679,-6.652 7.755,-7.035 7.755,-7.035 7.679,-7.418 7.462,-7.742 7.138,-7.959 6.755,-8.035 6.755,-8.035 6.372,-7.959 6.048,-7.742 5.831,-7.418 5.755,-7.035 5.755,-7.035 5.755,-7.025 5.83,-6.646 6.045,-6.325 6.366,-6.11 6.745,-6.035 6.745,-6.035
  Top Layer pour cut-out: 6.755,-9.085 7.138,-9.161 7.462,-9.378 7.679,-9.702 7.755,-10.085 7.755,-10.085 7.755,-10.105 7.679,-10.488 7.462,-10.812 7.138,-11.029 6.755,-11.105 6.755,-11.105 6.372,-11.029 6.048,-10.812 5.831,-10.488 5.755,-10.105 5.755,-10.105 5.755,-10.085 5.831,-9.702 6.048,-9.378 6.372,-9.161 6.755,-9.085
  silkscreen extent -2.94,-18.28 10.56,3.72, body extent -3.04,-18.19 10.53,3.72, height 2.2
vicor [mm] "V300A24T500"
  round 4.5 hole 3: 1(17.269,57.638) 2(7.109,57.638) 3(-8.131,57.638) 4(-18.291,57.638) 6(-8.131,-48.707) 7(-0.511,-48.707) 8(7.109,-48.707)
  round 7.62 hole 5.5: 5(-18.291,-48.707) 9(17.269,-48.707)
  silkscreen extent -28.45,-54.19 27.43,62.65, body extent -28.49,-54.13 27.39,62.71, height 15
XH2/2.54mm/180#1 [mm]
  oval 1.8x2.5 hole 1: 1(-0.12,0)
  rect 1.8x2.5 hole 1: 2(2.42,0)
  silkscreen extent -2.55,-3.4 4.85,2.35, body extent -2.55,-3.4 4.85,2.35, height 7
XH2/2.54mm/180#2 [mm]
  rect 1.8x2.5 hole 1: 1(-0.12,0)
  oval 1.8x2.5 hole 1: 2(2.42,0)
  silkscreen extent -2.55,-3.4 4.85,2.35, body extent -2.55,-3.4 4.85,2.35, height 7
XH3/2.54mm/180 [mm]
  rect 1.8x2.5 hole 1: 1(-0.045,0.08)
  oval 1.8x2.5 hole 1: 2(2.495,0.08) 3(5.035,0.08)
  silkscreen extent -2.5,-3.32 7.4,2.43, body extent -2.5,-3.32 7.4,2.43, height 7
XT60-F [mm]
  round 6.5 hole 4.8: 1(0.489,0) 2(7.689,0)
  silkscreen extent -3.71,-4.1 11.89,4.1, body extent -3.81,-4.06 12.09,4.09, height 16.5
三脚贴片8M晶振 [mm] "CSTCC8M00G53-RO"
  rect 3.8x1.27 smd: 1(0.06,-0.006) 2(0.06,-5.086) 3(0.06,-2.546)
  silkscreen extent -2.1,-6.18 2.24,1.26, body extent -1.72,-6.23 1.84,1.26, height 1.5
拨码开关(4位贴片) [mm]
  rect 2x1.1 smd: 1(-0.103,0.121) 2(-0.103,-2.419) 3(-0.103,-4.959) 4(-0.103,-7.499) 5(8.897,-7.499) 6(8.897,-4.959) 7(8.897,-2.419) 8(8.897,0.121)
  silkscreen extent 1.24,-8.97 7.59,1.7, body extent 0.99,-8.71 7.85,1.57, height 2.15
排阻(4位贴片) [mm]
  rect 1.22x0.45 smd: 1(-0.051,0.013) 2(1.869,0.013) 3(-0.051,-0.787) 4(1.869,-0.787) 5(-0.051,-1.587) 6(1.869,-1.587) 7(-0.051,-2.387) 8(1.869,-2.387)
  silkscreen extent -0.81,-3.14 2.64,0.76, body extent 0.1,-2.79 1.7,0.41, height 0.59
整流全桥 [mm]
  oct 9x3.5 hole 1.5 square: AC1(-1.422,-14.326) AC2(11.659,3.327)
  rect 3.5x9 hole 1.5 square: DC+(-4.216,1.168)
  oval 9x3.5 hole 1.5 square: DC-(11.659,-14.326)
  silkscreen extent -9.42,-17.5 18.39,9.17
无极性直插电容 [mm]
  round 2.5 hole 1.2: 1(0,0.051) 2(5.08,0.051)
  silkscreen extent -1.52,-1.85 6.6,1.96, body extent -0.96,-0.8 6.04,0.9, height 7.06
电力载波模块6410 [mm]
  round 1.3 hole 0.8: 0(35.059,-16.289) 2(1.059,-12.289) 3(1.059,-14.289) 4(1.059,-16.289) 5(1.059,-18.289) 6(1.059,-20.289) 7(1.059,-22.289) 8(1.059,-24.289) 9(1.059,-26.289) 10(1.059,-28.289) 11(1.059,-30.289) 12(1.059,-32.289) 13(35.059,-18.289) 14(35.059,-14.289) 15(35.059,-12.289) 16(35.059,-10.289)
  rect 1.3x1.3 hole 0.8: 1(1.059,-10.289)
  Keep-Out Layer board cut-out: 17.729,-7.417 17.729,-1.46 17.8,-1.106 18.001,-0.805 18.301,-0.604 18.656,-0.533 18.656,-0.533 29.567,-0.533 29.567,-0.533 29.998,-0.649 30.314,-0.965 30.429,-1.396 30.429,-1.396 30.429,-7.404 30.349,-7.808 30.121,-8.15 29.779,-8.378 29.375,-8.458 29.375,-8.458 18.771,-8.458 18.372,-8.379 18.034,-8.153 17.808,-7.815 17.729,-7.417
  Keep-Out Layer lines w0.254: 30.429,-1.396 ccw(c29.567,-1.396) 29.567,-0.533 18.656,-0.533 ccw(c18.656,-1.46) 17.729,-1.46 17.729,-7.417 ccw(c18.771,-7.417) 18.771,-8.458 29.375,-8.458 ccw(c29.375,-7.404) 30.429,-7.404 30.429,-1.396
  silkscreen extent -0.5,-38.5 36.5,0, body extent -0.15,-33.42 36.3,-8.87, height 4.35
电调外框 [mm]
  silkscreen extent -8,-11.5 30,7.5
贴片按键 [mil]
  oval 80x40 smd: 1(-5.71,2.8) 2(294.29,2.8)
  silkscreen extent 14,-76 274,82, body extent 24,-69 264,77, height 98

## Part data
1: library part JMU_LOGO, "LOGO"
C1 C1_2 C2 C2_1 C2_2 C2_3 C3 C3_2 C3_3 C4 C4_1 C4_1_1 C5 C5_1 C5_1_1 C5_2 C6 C6_1 C6_1_1 C6_2 C7_1 C7_1_1 C8 C8_1 C8_1_1 C8_2 C10 C11 C13 C13_1 C13_1_1 C15 C22 C22_1 C23 C23_1 C26 C26_1: library part Cap1, "无极贴片电容"
C1_1 C1_1_1 C3_1 C3_1_1 C7_2 C9 C14: library part "Pol Cap", "极性贴片电容"
C4_2 C7 C10_2 C12 C12_2 C13_2: library part Cap3, "直插极性电容"
C9_1 C9_1_1 C10_1 C10_1_1 C11_1 C11_1_1 C12_1 C12_1_1 C14_1 C14_1_1 C15_1 C15_1_1 C16 C16_1 C17 C17_1 C18 C18_1 C19 C19_1 C20 C20_1 C21 C21_1 C24 C24_1 C25 C25_1: library part C1
C9_2 C11_2: library part Cap2, "无极直插电容"
D1_1 D1_1_1 D1_2 D2 D2_1 D2_1_1 D3 D4 D5: library part Diode, "二极管"
F1 F1_1 F1_1_1 F1_2 F2 F3: library part Fuse, "保险丝"
J1 J1_1: library part IPX天线座
K1 K1_1: library part 轻触按键, "轻触开关"
K2 K2_1 K3 K3_1: library part Key(两脚贴片)
L1 L1_1 L2 L3: library part L, "电感"
LED1 LED1_1 LED1_1_1 LED2 LED2_1 LED2_1_1: library part LED, "发光二极管"
LED1_2 LED2_2 P1_2 P2_2 P3_2 P12 P13 P17: library part 接线端子-2PIN, "2PIN"
LOGO LOGO_1: "LOGO"
P1 P2 P4 P9 P10 P11: library part 接线端子-4PIN, "4PIN"
P1_1 P1_1_1 P7_1 P7_1_1 P9_1 P9_1_1: library part "Header 4", "排针"
P2_1 P2_1_1: library part 拨码开关4, "4位拨码开关"
P3 P8: library part 接线端子-6PIN, "6PIN"
P3_1 P3_1_1: library part "Header 7", "排针"
P4_1 P4_1_1 P5_1 P5_1_1 P6_1 P6_1_1: library part "Header 10X2"
P5: library part 接线端子-3PIN, "3PIN"
P6 P7: library part "Header 4X3"
P14: library part 电源端子
Q1 Q1_1: library part NPN, "NPN三极管"
R1 R1_2 R1_3 R2 R2_2 R2_3 R3_2 R4 R4_2 R5 R5_1 R5_1_1 R5_2 R6 R6_2 R7 R7_2 R8 R8_2 R9 R9_2 R10 R11 R11_1 R11_1_1 R12 R12_1 R12_1_1 R13 R13_1 R13_1_1 R14 R14_1 R14_1_1 R15 R15_1 R15_1_1 R16 R16_1: library part Res, "电阻"
R1_1 R1_1_1 R3_1 R3_1_1 R4_1 R4_1_1 R6_1 R6_1_1 R7_1 R7_1_1 R9_1 R9_1_1 R10_1 R10_1_1: library part R1
R2_1 R2_1_1 R3 R8_1 R8_1_1: library part Res-4, "排阻"
T1 T2 T3 T4 T5: library part 测试点, "测试点"
U1: library part ROV_Controler
U1_1 U1_1_1: library part STM32F407ZET6
U1_2: library part MS5837-02BA
U1_3 U3: library part 电力载波模块6410
U2: library part "Raspberry Pi 外框"
U2_1 U2_1_1: "3.3V电源芯片"
U3_1: library part TPS54302
U4_1 U4_1_1: "USB接口"
U4_2: library part 滨达模块（220V--24V）
U5_1 U5_1_1: library part 9轴加速度计
U6 U7 U8 U10 U11 U12: library part 电调
U6_1 U6_1_1: "FLASHоƬ"
U? U?_1: "USB转串口芯片"
X1 X1_1: library part XTAL三脚贴片晶振

## Via types
v1: diameter 0.559, hole 0.305, Top Layer to Bottom Layer, 115 vias
v2: diameter 1.27, hole 0.711, Top Layer to Bottom Layer, 104 vias
v3: diameter 0.762, hole 0.406, Top Layer to Bottom Layer, 97 vias
v4: diameter 0.559, hole 0.356, Top Layer to Bottom Layer, 84 vias
v5: diameter 0.711, hole 0.406, Top Layer to Bottom Layer, 54 vias
v6: diameter 0.635, hole 0.406, Top Layer to Bottom Layer, 32 vias
v7: diameter 1.016, hole 0.559, Top Layer to Bottom Layer, 30 vias
v8: diameter 0.762, hole 0.381, Top Layer to Bottom Layer, 16 vias
v9: diameter 1.016, hole 0.635, Top Layer to Bottom Layer, 10 vias
v10: diameter 0.762, hole 0.457, Top Layer to Bottom Layer, 6 vias
v11: diameter 0.914, hole 0.559, Top Layer to Bottom Layer, 4 vias
v12: diameter 1.016, hole 0.457, Top Layer to Bottom Layer, 4 vias